# Altium PCB STM PCB.PcbDoc (part 3 of 3)
Units mm, origin at the board's own origin, x right, y up, seen from the top; angles counter-clockwise.
Board outline 66 x 113.5 mm, 4 copper layers (L1, GND, PWR, L2), stack 0.603 mm thick; 161 components, 199 nets, 817 pads, 466 vias.
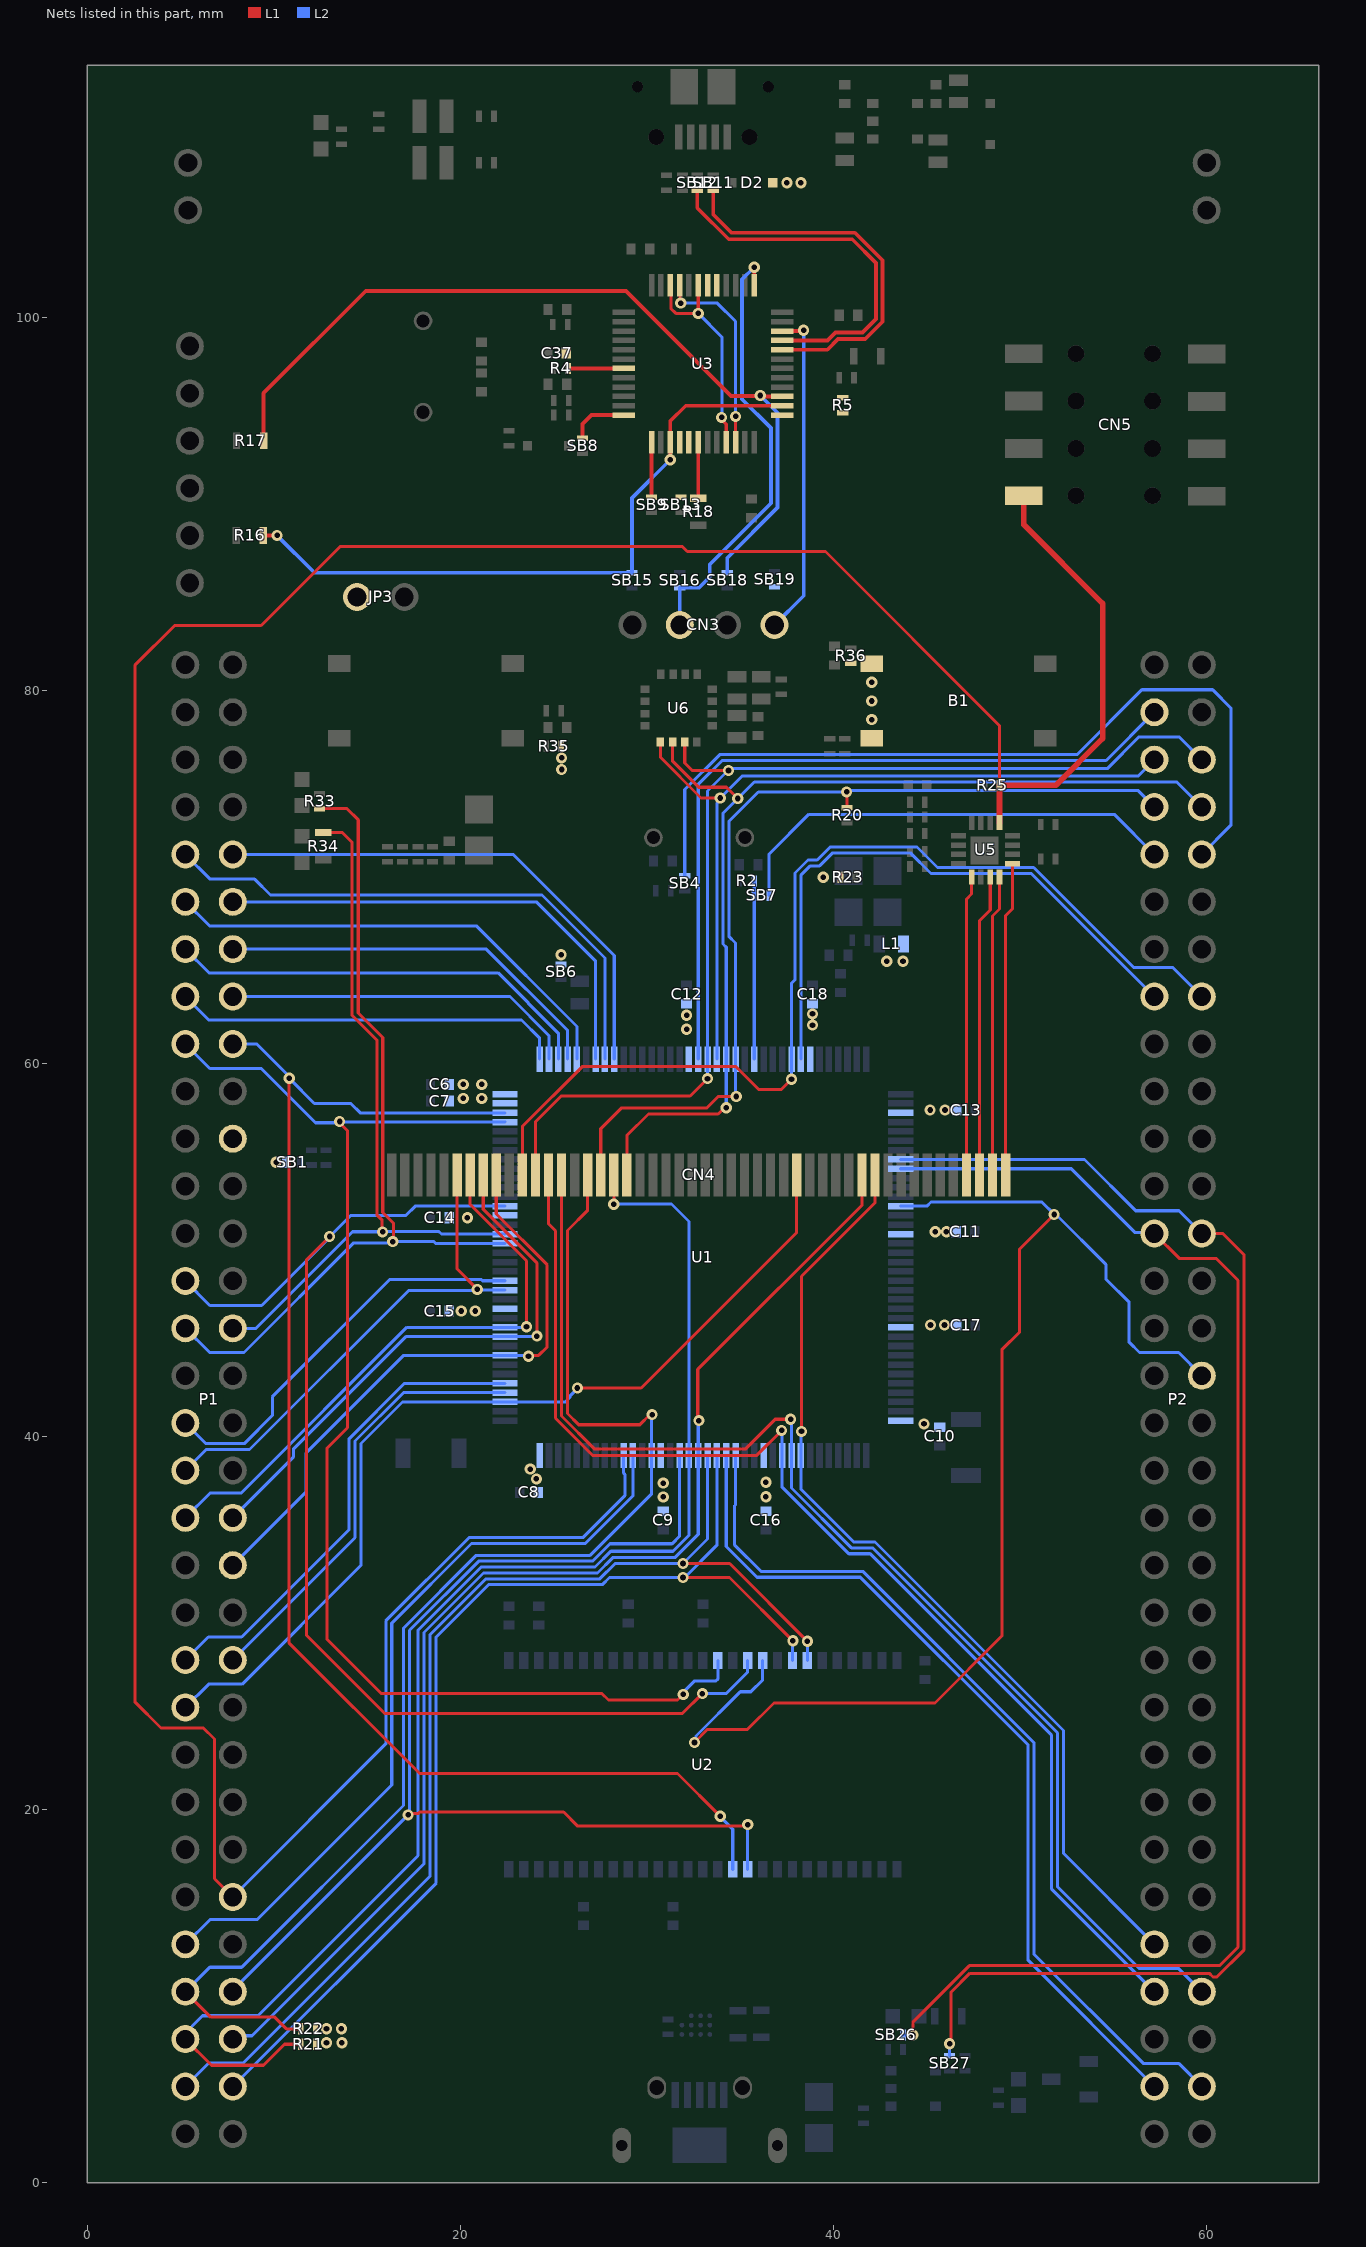
[diagram p5: the nets of this part, all layers, seen from the top]

## Via types
v1: diameter 0.6, hole 0.3, L1 to L2, 466 vias

## Nets (pads, with @x,y where several pads share a name; then routed paths per layer and width w, separated by ;. In a path a pad name is that pad's centre, name@x,y a point inside that pad or via, vN(x,y) a via of type N, cw(c..) or ccw(c..) an arc to the next point about the centre after c; other vN are vias at no path point) (continued)
PC2: CN4.38 P2.16 U1.28 | length 55.9
  L1 w0.165: CN4.38@23.325,54.025 23.325,56.62 26.53,59.825 34.775,59.825 36.01,58.59 37.19,58.59 v1(37.75,59.15)
  L2 w0.165: v1(37.75,59.15) U1.28@37.75,60.225 37.75,64.299 37.935,64.484 37.935,70.205 38.63,70.9 39.126,70.9 39.823,71.598 44.477,71.598 45.575,70.5 50.725,70.5 56.088,65.137 58.182,65.137 P2.16@59.74,63.58
PC3: P2.15 U1.29 | length 32.5
  L2 w0.165: U1.29@38.25,60.225 38.25,70.075 38.76,70.585 39.256,70.585 39.954,71.283 44.118,71.283 45.225,70.175 50.605,70.175 P2.15@57.2,63.58
PC4: P2.26 SB27.1 U1.44 | length 78
  L1 w0.165: v1(46.225,7.45) 46.308,7.533 46.308,10.222 47.309,11.222 60.147,11.222 60.344,11.025 60.55,11.025 61.994,12.469 61.994,49.756 60.87,50.88 P2.26@59.74,50.88
  L2 w0.165: U1.44@43.6,54.85 53.45,54.85 56.2,52.1 58.52,52.1 P2.26@59.74,50.88 ; SB27.1@46.225,6.8 v1(46.225,7.45)
PC5: P2.25 SB26.2 U1.45 | length 76.6
  L1 w0.165: v1(44.25,7.925) 44.25,8.609 47.281,11.64 60.69,11.64 61.679,12.629 61.679,48.371 60.5,49.55 58.53,49.55 P2.25@57.2,50.88
  L2 w0.165: U1.45@43.6,54.35 52.75,54.35 56.176,50.924 57.156,50.924 P2.25@57.2,50.88 ; SB26.2@43.725,7.925 v1(44.25,7.925)
PC6: CN4.33 P1.57 R22.2 U1.96 | length 71.1
  L1 w0.165: P1.57@5.26,10.24 6.625,8.875 10.05,8.875 10.675,8.25 R22.2@11.45,8.25 ; CN4.33@26.825,54.025 26.825,52.125 25.74,51.04 25.74,41.232 26.342,40.63 29.623,40.63 30.168,41.175 v1(30.275,41.175)
  L2 w0.165: P1.57@5.26,10.24 6.57,11.55 8.277,11.55 16.95,20.223 16.95,29.73 20.853,33.632 26.955,33.632 30.25,36.927 30.25,41.15 v1(30.275,41.175)
PC8: P1.55 U1.98 | length 41.2
  L2 w0.165: P1.55@5.26,12.78 6.58,14.1 9.1,14.1 16.32,21.32 16.32,29.991 20.592,34.262 26.694,34.262 29.25,36.818 U1.98@29.25,38.975
PC9: CN5.1 P1.54 R25.1 U1.99 U5.5 | length 185
  L1 w0.165: P1.54@7.8,15.32 6.817,16.302 6.817,23.783 6.225,24.375 3.95,24.375 2.55,25.775 2.55,81.334 4.686,83.47 9.32,83.47 13.547,87.698 31.902,87.698 32.167,87.432 39.568,87.432 48.9,78.1 R25.1@48.9,74.9
  L1 w0.3: U5.5@48.9,72.9 R25.1@48.9,74.9 51.914,74.9 54.425,77.411 54.425,84.65 50.2,88.875 CN5.1@50.2,90.42
  L2 w0.165: P1.54@7.8,15.32 16.005,23.525 16.005,30.121 20.461,34.577 26.564,34.577 28.815,36.829 28.815,37.971 28.75,38.036 U1.99@28.75,38.975
PC10: CN4.17 P1.45 U1.111 | length 50.3
  L1 w0.165: v1(26.273,42.6) 29.691,42.6 38.025,50.934 CN4.17@38.025,54.025
  L2 w0.165: P1.45@5.26,25.48 6.505,26.725 8.3,26.725 14.67,33.095 14.67,39.627 16.893,41.85 U1.111@22.4,41.85 25.625,41.85 25.871,42.096 25.871,42.155 26.273,42.556 v1(26.273,42.6)
PC11: P1.44 U1.112 | length 23.6
  L2 w0.165: P1.44@7.8,28.02 14.355,34.575 14.355,39.757 16.948,42.35 U1.112@22.4,42.35
PC12: P1.43 U1.113 | length 26.1
  L2 w0.165: P1.43@5.26,28.02 6.49,29.25 8.275,29.25 14.04,35.015 14.04,39.888 17.002,42.85 U1.113@22.4,42.85
PC13: P1.12 U1.7 | length 26
  L2 w0.165: P1.12@7.8,68.66 24.068,68.66 27.25,65.478 U1.7@27.25,60.225
PC14: P1.9 U1.8 | length 30.2
  L2 w0.165: P1.9@5.26,71.2 6.585,69.875 8.975,69.875 9.825,69.025 24.375,69.025 27.75,65.65 U1.8@27.75,60.225
PC15: P1.10 U1.9 | length 28.3
  L2 w0.165: P1.10@7.8,71.2 22.836,71.2 28.25,65.786 U1.9@28.25,60.225
PD2: CN4.40 P1.40 U1.116 | length 33.3
  L1 w0.165: CN4.40@21.925,54.025 21.925,51.925 24.65,49.2 24.65,44.8 24.198,44.348 23.698,44.348 v1(23.65,44.3)
  L2 w0.165: P1.40@7.8,33.1 11.74,37.04 11.74,39.124 16.966,44.35 23.6,44.35 v1(23.65,44.3)
PD4: CN4.41 P1.38 U1.118 | length 30.4
  L1 w0.165: CN4.41@21.225,54.025 21.225,52.18 24.1,49.305 v1(24.1,45.383)
  L2 w0.165: P1.38@7.8,35.64 11.05,38.89 11.05,39.325 17.075,45.35 U1.118@22.333,45.35 ; U1.118@22.4,45.35 24.068,45.35 v1(24.1,45.383)
PD5: CN4.42 P1.37 U1.119 | length 31.9
  L1 w0.165: CN4.42@20.525,54.025 20.525,52.434 23.545,49.414 23.545,45.887 v1(23.543,45.885)
  L2 w0.165: P1.37@5.26,35.64 6.595,36.975 8.255,36.975 17.13,45.85 23.508,45.85 v1(23.543,45.885)
PD7: CN4.43 P1.35 U1.123 | length 27.7
  L1 w0.165: CN4.43@19.825,54.025 19.825,48.975 20.9,47.9 v1(20.9,47.883)
  L2 w0.165: P1.35@5.26,38.18 6.38,39.3 8.7,39.3 17.217,47.817 20.835,47.817 v1(20.9,47.883) ; v1@20.933,47.85 U1.123@22.4,47.85
PD11: CN4.11 P2.55 U1.80 | length 51.4
  L1 w0.165: v1(38.283,40.275) 38.283,48.583 42.225,52.525 CN4.11@42.225,54.025
  L2 w0.165: v1(38.283,40.275) 38.25,40.242 38.25,37.182 41.087,34.345 42.223,34.345 52.325,24.243 52.325,17.655 P2.55@57.2,12.78
PD12: CN4.35 P2.58 U1.81 | length 68.3
  L1 w0.165: CN4.35@25.425,54.025 25.425,41.101 27.201,39.325 35.275,39.325 36.875,40.925 v1(37.7,40.925)
  L2 w0.165: v1(37.7,40.925) 37.75,40.875 37.75,37.236 40.956,34.03 42.093,34.03 52.01,24.113 52.01,15.865 56.4,11.475 58.505,11.475 P2.58@59.74,10.24
PD13: CN4.36 P2.57 U1.82 | length 65.7
  L1 w0.165: CN4.36@24.725,54.025 24.725,51.4 25.1,51.025 25.1,40.981 27.106,38.975 35.868,38.975 v1(37.218,40.325)
  L2 w0.165: v1(37.218,40.325) 37.234,40.309 37.234,37.307 40.826,33.715 41.962,33.715 51.695,23.982 51.695,15.735 57.19,10.24 P2.57@57.2,10.24
PE0: P1.17 U1.141 U2.15 | length 71.1
  L1 w0.165: v1(13.525,56.882) 13.525,56.818 13.95,56.393 13.95,40.475 12.85,39.375 12.85,29.13 15.755,26.225 27.586,26.225 27.936,25.875 31.636,25.875 31.936,26.175 v1(31.95,26.175)
  L2 w0.165: P1.17@5.26,61.04 6.575,59.725 9.325,59.725 12.233,56.817 v1@13.525,56.817 ; v1(13.525,56.882) 13.545,56.862 22.388,56.862 U1.141@22.4,56.85 ; v1(31.95,26.175) 31.95,26.293 32.557,26.9 33.703,26.9 33.8,26.997 U2.15@33.8,28
PE1: P1.18 U1.142 U2.39 | length 76.5
  L1 w0.165: v1(10.825,59.2) 10.805,59.18 10.805,28.947 17.82,21.932 31.642,21.932 v1(33.925,19.649)
  L2 w0.165: P1.18@7.8,61.04 9.085,61.04 10.825,59.3 v1(10.825,59.2) 12.175,57.85 14.125,57.85 14.625,57.35 U1.142@22.4,57.35 ; v1(33.925,19.649) 33.925,19.625 34.6,18.95 U2.39@34.6,16.8
PE2: P1.15 U1.1 | length 21
  L2 w0.165: P1.15@5.26,63.58 6.515,62.325 23.275,62.325 24.25,61.35 U1.1@24.25,60.225
PE3: P1.16 U1.2 | length 19.1
  L2 w0.165: P1.16@7.8,63.58 22.656,63.58 24.75,61.486 U1.2@24.75,60.225
PE4: P1.13 U1.3 | length 23.3
  L2 w0.165: P1.13@5.26,66.12 6.53,64.85 22.023,64.85 25.25,61.623 U1.3@25.25,60.225
PE5: P1.14 U1.4 | length 21.3
  L2 w0.165: P1.14@7.8,66.12 21.389,66.12 25.75,61.759 U1.4@25.75,60.225
PE6: P1.11 U1.5 | length 25.5
  L2 w0.165: P1.11@5.26,68.66 6.552,67.368 20.86,67.368 26.25,61.978 U1.5@26.25,60.225
PF6: P2.3 U1.18 | length 40.8
  L2 w0.165: U1.18@32.75,60.225 32.75,74.955 34.03,76.235 54.615,76.235 P2.3@57.2,78.82
PF7: CN4.37 P2.6 U1.19 U6.2 | length 60.3
  L1 w0.165: CN4.37@24.025,54.025 24.025,56.875 25.4,58.25 32.315,58.25 v1(33.247,59.183) ; U6.2@32.025,77.225 32.025,76.1 32.428,75.697 v1(34.372,75.697)
  L2 w0.165: v1@33.25,59.185 33.249,59.187 33.249,60.224 U1.19@33.25,60.225 33.25,74.6 34.347,75.697 v1(34.372,75.697) ; v1@34.359,75.709 34.45,75.8 54.675,75.8 56.375,77.5 58.52,77.5 P2.6@59.74,76.28
PF8: P2.5 U1.20 U6.4 | length 43.1
  L1 w0.165: U6.4@30.725,77.225 30.725,76.4 32.9,74.225 v1(33.925,74.225)
  L2 w0.165: U1.20@33.75,60.225 33.75,73.932 33.925,74.107 v1(33.925,74.225) 35.098,75.398 56.318,75.398 P2.5@57.2,76.28
PF9: CN4.30 P2.8 U1.21 U6.3 | length 56.1
  L1 w0.165: CN4.30@28.925,54.025 28.925,56.13 30.08,57.285 33.816,57.285 34.156,57.625 v1(34.25,57.625) ; U6.3@31.388,77.112 31.375,77.098 31.375,76.195 32.77,74.8 34.269,74.8 v1(34.87,74.198)
  L2 w0.165: v1(34.25,57.625) U1.21@34.25,60.225 34.25,66.225 34.077,66.398 34.077,73.406 v1(34.87,74.198) 35.754,75.083 58.397,75.083 P2.8@59.74,73.74
PF10: CN4.32 P2.7 R20.2 U1.22 | length 50.1
  L1 w0.165: CN4.32@27.525,54.025 27.525,56.5 28.625,57.6 33.195,57.6 33.82,58.225 v1(34.783,58.225) ; R20.2@40.7,73.725 R20.2@40.725,73.7 40.725,74.525 v1(40.7,74.55)
  L2 w0.165: v1(34.783,58.225) 34.75,58.257 34.75,66.45 34.392,66.807 34.392,72.967 35.975,74.55 v1(40.7,74.55) ; v1@40.683,74.533 v1(40.7,74.55) ; P2.7@57.2,73.74 56.307,74.632 40.782,74.632 v1(40.7,74.55)
PF11: P2.32 U1.49 U2.18 | length 70.6
  L1 w0.165: v1(32.55,23.6) 33.251,24.301 35.389,24.301 36.808,25.72 45.443,25.72 49.025,29.302 49.025,44.65 49.975,45.6 49.975,50.05 v1(51.825,51.9)
  L2 w0.165: v1(32.55,23.6) 32.633,23.683 32.633,23.942 35.008,26.317 35.567,26.317 36.2,26.95 U2.18@36.2,28 ; U1.49@43.6,52.35 45,52.35 45.222,52.572 51.162,52.572 51.825,51.909 v1(51.825,51.9) 51.925,51.9 54.6,49.225 54.6,48.445 55.85,47.195 55.85,45.05 56.4,44.5 58.5,44.5 P2.32@59.74,43.26
PG2: P2.62 U1.87 | length 48.5
  L2 w0.165: U1.87@34.75,38.975 34.75,36.324 34.685,36.259 34.685,34.201 36.116,32.77 41.571,32.77 50.75,23.591 50.75,12.246 56.596,6.4 58.5,6.4 P2.62@59.74,5.16
PG3: P2.61 U1.88 | length 46.6
  L2 w0.165: U1.88@34.25,38.975 34.25,34.1 35.895,32.455 41.44,32.455 50.435,23.46 50.435,11.925 P2.61@57.2,5.16
PG4: P1.62 U1.89 U2.20 | length 58.9
  L1 w0.165: v1(31.935,32.44) 31.94,32.446 34.426,32.446 v1(37.823,29.048)
  L2 w0.165: P1.62@7.8,5.16 18.7,16.06 18.7,29.252 21.505,32.057 27.607,32.057 27.996,32.446 32.025,32.446 33.75,34.171 U1.89@33.75,38.975 ; U2.20@37.8,28 37.8,29.025 v1(37.823,29.048)
PG5: P1.61 U1.90 U2.21 | length 61.6
  L1 w0.165: v1(31.935,33.19) 34.435,33.19 v1(38.6,29.025)
  L2 w0.165: P1.61@5.26,5.16 6.525,6.425 8.375,6.425 18.363,16.413 18.363,29.36 21.375,32.372 27.477,32.372 28.295,33.19 v1(31.935,33.19) 33.25,34.506 U1.90@33.25,38.975 ; U2.21@38.6,28 v1(38.6,29.025)
PG6: CN4.12 P1.60 U1.91 | length 66.4
  L1 w0.165: v1(32.783,40.85) 32.725,40.908 32.725,43.597 41.525,52.397 CN4.12@41.525,54.025
  L2 w0.165: P1.60@7.8,7.7 7.98,7.88 8.835,7.88 18.048,17.093 18.048,29.491 21.244,32.687 27.347,32.687 28.165,33.505 31.496,33.505 32.75,34.759 32.75,40.818 v1(32.783,40.85)
PG7: CN4.31 P1.59 R21.2 U1.92 | length 75.5
  L1 w0.165: P1.59@5.26,7.7 6.66,6.3 9.45,6.3 10.575,7.425 R21.2@11.45,7.425 ; v1(28.225,52.45) CN4.31@28.225,54.025
  L2 w0.165: P1.59@5.26,7.7 5.26,8.025 5.641,8.406 5.641,8.416 6.175,8.95 9.15,8.95 17.733,17.532 17.733,29.621 21.114,33.002 27.216,33.002 28.064,33.85 31.395,33.85 32.25,34.705 U1.92@32.25,38.975 32.25,51.525 31.318,52.457 28.233,52.457 v1(28.225,52.45)
PG8: P1.58 U1.93 U2.38 | length 65.2
  L1 w0.165: v1(17.2,19.72) 17.272,19.792 17.748,19.792 17.83,19.875 25.534,19.875 26.292,19.117 35.317,19.117 v1(35.4,19.2)
  L2 w0.165: P1.58@7.8,10.24 7.8,10.32 v1(17.2,19.72) 17.2,19.8 17.275,19.875 17.275,29.609 20.983,33.317 27.086,33.317 28.018,34.25 31.35,34.25 31.75,34.65 U1.93@31.75,38.975 ; U2.38@35.4,16.8 v1(35.4,19.2)
PG9: P1.33 U1.124 | length 21.9
  L2 w0.165: P1.33@5.26,40.72 6.365,39.615 8.415,39.615 9.925,41.125 9.925,42.125 16.215,48.415 21.121,48.415 21.186,48.35 U1.124@22.4,48.35
PG13: P1.29 R33.1 U1.128 | length 45.9
  L1 w0.165: R33.1@12.45,73.65 13.925,73.65 14.525,73.05 14.525,62.7 15.84,61.385 15.84,52.01 16.408,51.442 16.408,50.48 v1(16.375,50.447)
  L2 w0.165: P1.29@5.26,45.8 6.56,44.5 8.404,44.5 14.286,50.383 16.31,50.383 v1(16.375,50.447) 18.573,50.447 18.665,50.355 U1.128@22.395,50.355
PG14: P1.30 R34.1 U1.129 | length 40.4
  L1 w0.165: R34.1@12.43,72.375 13.675,72.375 14.183,71.867 14.183,62.597 15.525,61.255 15.525,51.88 15.809,51.595 15.809,50.989 v1(15.833,50.965)
  L2 w0.165: P1.30@7.8,45.8 9.043,45.8 14.218,50.975 15.823,50.975 v1(15.833,50.965) ; v1@15.825,50.975 15.83,50.98 18.856,50.98 18.986,50.85 U1.129@22.4,50.85
PG15: P1.27 U1.132 U2.17 | length 68.8
  L1 w0.165: v1(12.992,50.718) 11.75,49.475 11.75,29.339 15.939,25.15 31.9,25.15 32.967,26.217 v1(32.975,26.217)
  L2 w0.165: P1.27@5.26,48.34 6.575,47.025 9.35,47.025 12.992,50.668 v1(12.992,50.718) ; v1@13.017,50.692 13.017,50.742 14.125,51.85 17.075,51.85 17.575,52.35 U1.132@22.4,52.35 ; v1(32.975,26.217) 32.982,26.225 34.25,26.225 35.4,27.375 U2.17@35.4,28
PH0: P2.10 SB4.1 | length 45
  L2 w0.165: SB4.1@32.025,70.05 32.025,74.675 33.9,76.55 53.05,76.55 56.525,80.025 60.325,80.025 61.3,79.05 61.3,72.76 P2.10@59.74,71.2
PH1: P2.9 SB7.1 | length 24.6
  L2 w0.165: SB7.1@36.55,69 36.55,71.218 38.677,73.345 55.055,73.345 P2.9@57.2,71.2
PH1_OSC_OUT: R2.1 SB7.2 U1.24 | length 9.5
  L2 w0.165: U1.24@35.75,60.225 R2.1@35.75,69.775
STLINK_RX: SB9.1 U3.13 | length 3
  L1 w0.2: SB9.1@30.25,90.35 U3.13@30.25,93.3
STLINK_TX: SB8.1 U3.12 | length 3.2
  L1 w0.2: SB8.1@26.55,93.5 26.55,94.275 27.025,94.75 U3.12@28.75,94.75
STM_JTCK: CN3.2 SB16.2 U3.37 | length 23.7
  L1 w0.2: U3.37@35.75,101.7 v1(35.75,102.675)
  L2 w0.2: CN3.2@31.76,83.5 SB16.2@31.76,85.496 ; SB16.2@31.76,85.5 32.8,85.5 33.369,86.069 33.369,86.744 36.65,90.025 36.65,94.05 35.1,95.6 35.1,102.025 v1(35.75,102.675)
STM_JTMS: CN3.4 SB19.2 U3.34 | length 17.6
  L1 w0.2: U3.34@37.25,99.25 38.35,99.25 v1(38.4,99.3)
  L2 w0.2: CN3.4@36.84,83.5 38.4,85.06 v1(38.4,99.3)
STM_RESET: C37.2 R4.1 U3.7 | length 3.1
  L1 w0.2: C37.2@25.675,98.05 C37.2@25.775,97.95 ; R4.1@25.775,97.25 U3.7@28.75,97.25
SWIM: U3.22 U3.45 | length 10.8
  L1 w0.165: U3.45@31.75,101.7 31.783,101.667 31.783,100.782 v1(31.815,100.75) ; U3.22@34.75,93.3 v1(34.75,94.675)
  L2 w0.165: v1(31.815,100.75) 33.775,100.75 34.75,99.775 v1(34.75,94.675)
SWIM_IN: U3.21 U3.43 U3.46 | length 11.9
  L1 w0.165: U3.46@31.25,101.7 31.283,101.667 31.283,100.464 31.547,100.2 v1(32.75,100.2) U3.43@32.75,101.7 ; v1(34,94.625) 34,94.507 34.25,94.257 U3.21@34.25,93.3
  L2 w0.165: v1(32.75,100.2) 34.025,98.925 34.025,94.65 v1(34,94.625)
SWIM_RST: U3.42
SWIM_RST_IN: U3.41
T_JTCK: R16.2 SB15.1 U3.15 U3.26 | length 35.9
  L1 w0.2: R16.2@9.425,88.3 v1(10.175,88.3) ; v1(31.25,92.35) U3.15@31.25,93.3 31.25,94.425 32.075,95.25 U3.26@37.25,95.25
  L2 w0.2: v1(10.175,88.3) 12.175,86.3 SB15.1@29.2,86.3 29.2,90.3 v1(31.25,92.35)
T_JTDI: U3.17
T_JTDO: U3.16
T_JTMS: R5.1 R17.2 SB18.1 U3.27 | length 46
  L1 w0.2: R17.2@9.45,93.37 9.45,95.925 14.925,101.4 28.88,101.4 34.505,95.775 36.05,95.775 v1(36.075,95.8) ; v1@36.075,95.775 36.1,95.75 U3.27@37.25,95.75
  L2 w0.2: SB18.1@34.3,86.3 34.3,87.088 37,89.787 37,94.875 v1(36.075,95.8)
T_NRST: R18.2 SB13.1 U3.18 | length 3
  L1 w0.2: R18.2@32.75,90.3 32.75,92.7 U3.18@32.75,93.3
T_SWDIO_IN: R5.2 U3.25
USB_DM: SB11.2 U3.32 | length 20.7
  L1 w0.2: SB11.2@33.55,106.8 33.55,105.5 34.525,104.525 41.145,104.525 42.625,103.045 42.625,99.75 41.7,98.825 40.246,98.825 39.671,98.25 U3.32@37.25,98.25
USB_DP: SB12.2 U3.33 | length 20.2
  L1 w0.2: SB12.2@32.7,106.8 32.7,105.855 34.38,104.175 41,104.175 42.275,102.9 42.275,99.895 41.555,99.175 40.101,99.175 39.676,98.75 U3.33@37.25,98.75
VDD: B1.1 B1.4 C6.2 C7.2 C8.2 C9.2 C10.2 C11.2 C12.2 C13.2 C14.2 C15.2 C16.2 C17.2 C18.2 D2.1 JP3.2 L1.1 P1.22 R21.1 R22.1 R23.1 R35.2 R36.2 SB1.1 SB6.2 U1.17 U1.30 U1.39 U1.52 U1.62 U1.72 U1.84 U1.95 U1.108 U1.121 U1.131 U1.143 U1.144
  other v1: 12.825,7.5 13.65,7.5 12.825,8.25 13.625,8.25 30.875,36.763 36.375,36.775 30.875,37.5 36.375,37.55 24.075,37.725 23.75,38.25 44.85,40.675 45.2,45.975 45.95,45.975 20.05,46.725 20.8,46.725 45.45,50.975 46.05,50.975 20.375,51.725 10.125,54.7 45.175,57.5 45.975,57.5 20.15,58.125 21.15,58.125 20.15,58.875 21.15,58.875 32.125,61.825 38.875,62.05 32.125,62.575 38.875,62.65 42.85,65.475 43.725,65.475 25.4,65.825 39.45,69.975 25.425,75.75 25.425,76.375 42.05,78.425 42.05,79.425 42.05,80.425 37.5,107.2 38.25,107.2
XL: CN4.2 U5.16 | length 16.1
  L1 w0.165: CN4.2@48.525,54.025 48.525,67.9 48.9,68.275 U5.16@48.9,70
XR: CN4.4 U5.13 | length 16.1
  L1 w0.165: CN4.4@47.125,54.025 47.125,68.8 47.4,69.075 U5.13@47.4,70
YD: CN4.1 U5.1 | length 16.8
  L1 w0.165: CN4.1@49.225,54.025 49.225,67.925 49.6,68.3 U5.1@49.6,70.7
YU: CN4.3 U5.15 | length 16.2
  L1 w0.165: CN4.3@47.825,54.025 47.825,67.645 48.4,68.22 U5.15@48.4,70
pads on no net: CN1.0 CN4.9 CN4.10 CN5.0 CN5.2 CN5.6 CN6.0 CN6.7 P2.4 U2.36 U2.40 U3.4 U3.11 U3.14 U3.19 U3.28 U3.38 U3.39 U3.40 U5.0 U8.A2 U8.B1 U8.B2 U8.C2

## Polygon pours and split planes (outlines as drawn)
GND on L2 "NONET_L-01_P-001" (solid, remove dead copper, pour order 1): 0,0 66,0 66,113.5 0,113.5
no net on Top Solder "NONET_L-01_P-001" (solid): 51.5,108 53.5,110 55.5,108 53.5,106
GND on L1 "NONET_L-01_P-001" (solid, remove dead copper, pour order 0): 0,0 66,0 66,113.5 0,113.5
3V on PWR (split plane): 65.49,0.51 0.51,0.51 0.51,112.99 65.49,112.99
VDD on PWR (split plane): 40.803,106.328 41.573,105.558 41.573,97.256 41.581,97.217 41.603,97.184 42.848,95.939 42.848,76.217 41.678,75.047 41.656,75.014 41.648,74.975 41.648,73.4 41.656,73.361 41.678,73.328 47.073,67.933 47.073,55.05 47.073,50.052 44.642,50.052 44.472,50.222 44.022,50.672 43.989,50.694 43.95,50.702 39.95,50.702 39.911,50.694 39.878,50.672 39.856,50.639 39.848,50.6 39.848,48.4 39.856,48.361 39.878,48.328 39.911,48.306 39.95,48.298 47.073,48.298 47.073,47.383 47.073,45.95 47.073,41.067 41.633,35.627 21.5,35.627 21.461,35.619 21.428,35.597 14.728,28.897 14.706,28.864 14.698,28.825 14.698,6.892 14.033,6.227 12.167,6.227 11.402,6.992 11.402,52.325 11.394,52.364 11.372,52.397 9.172,54.597 9.139,54.619 9.1,54.627 7.142,54.627 6.602,55.167 6.602,56.708 7.217,57.323 15.325,57.323 15.364,57.331 15.397,57.353 23.572,65.528 23.594,65.561 23.602,65.6 23.602,66.05 23.602,73.075 23.594,73.114 23.572,73.147 13.027,83.692 13.027,85.483 13.817,86.273 14.983,86.273 15.723,85.533 15.723,83.375 15.731,83.336 15.753,83.303 21.403,77.653 21.436,77.631 21.475,77.623 25.783,77.623 26.748,76.658 26.748,68.4 26.756,68.361 26.778,68.328 29.878,65.228 29.911,65.206 29.95,65.198 33.7,65.198 33.739,65.206 33.772,65.228 39.722,71.178 39.744,71.211 39.752,71.25 39.752,105.25 39.744,105.289 39.722,105.322 38.947,106.097 38.914,106.119 38.875,106.127 36.602,106.127 36.602,108.198 38.933,108.198
GND on GND (split plane): 65.49,0.51 0.51,0.51 0.51,112.99 65.49,112.99

## Keep-outs
Keep-Out Layer:
  the board outline again, w0.3

## Other copper
L1:
  region net GND: 47.1,71.85 47.1,71.55 45.375,71.55 45.375,71.85
  region net NetLD4_1: 13.1,71.125 13.1,70.725 12.25,70.725 11.9,70.375 11.1,70.375 11.1,71.175 12.025,71.175 12.075,71.125
  region net T_SWDIO_IN: 36.65,94.6 36.65,94.9 40.075,94.9 40.2,95.025 40.8,95.025 40.8,94.725 40.2,94.725 40.075,94.6
  region net T_JTMS: 36.65,95.9 36.65,95.6 39.945,95.6 40.02,95.525 40.8,95.525 40.8,95.825 40.05,95.825 39.975,95.9 37.85,95.9
  region net T_NRST: 33.2,90.1 33.2,90.5 31.525,90.5 31.525,90.2 32.25,90.2 32.35,90.1
  region net STM_RESET: 25.925,96.95 25.625,96.95 25.625,97.55 25.425,97.75 25.425,98.375 25.925,98.375
  region net 3V: 44.075,55.175 45.975,55.175 45.975,52.875 44.075,52.875
  region net 3V: 15.925,109.925 13.325,109.925 13.325,110.225 15.925,110.225
  region net 3V: 48.15,109.5 48.15,108.425 48.275,108.3 48.525,108.3 48.65,108.425 48.65,109.5
  region net 3V: 61,90.913 61,88.562 60.525,88.087 59.4,88.087 59,88.487 59,90.913
  region net 3V: 40.3,50 40.525,50.225 42.7,50.225 42.7,49.3 42.4,49 40.725,49 40.3,49.425
  region net 3V: 21.75,72.15 20.25,72.15 19.625,71.15 19.1,71.15 19.1,69.65 19.375,69.375 21.025,69.375 21.75,70.1
  region net 3V: 33.25,78.95 37.325,78.95 37.55,78.725 37.55,78.375 37.325,78.15 34,78.15 33.75,77.9 33.25,77.9
  region net 3V: 44.25,75.15 44.25,73.7 42.125,73.7 41.95,73.875 41.95,74.2 42.15,74.4 43,74.4 43.75,75.15
  region net 3V: 48.55,72.5 48.25,72.5 48.25,73.675 47.95,73.975 47.95,75.2 48.25,75.2 48.55,74.9
  region net 3V: 49.2,71.85 49.2,71.55 51.55,71.55 51.75,71.35 51.75,70.75 52.05,70.75 52.05,71.35 51.55,71.85 51.175,71.85
  region net VDD: 12.1,8.55 12.25,8.7 13.7,8.7 13.95,8.45 13.95,7.275 13.675,7 12.225,7 12.1,7.125
  region net VDD: 40.525,69.675 40.525,70.275 39.325,70.275 39.15,70.1 39.15,69.825 39.3,69.675
  region net VDD: 36.575,107.525 38.375,107.525 38.55,107.35 38.55,107.05 38.4,106.9 36.55,106.9 36.5,106.95 36.5,107.45
  region net VDD: 25.25,77.3 25.575,77.3 25.725,77.15 25.725,75.625 25.55,75.45 25.3,75.45 25.125,75.625 25.125,77.175
  region net 5V: 59,97.525 59,98.525 61,98.525 61.45,98.975 61.975,99.5 63.9,99.5 64.375,99.025 64.375,96.9 63.95,96.475 62.075,96.475 61.025,97.525
  region net 3V: 30.4,101.1 30.1,101.1 30.1,102.3 29.9,102.5 29.9,103.95 30.4,103.95 30.4,102.85
  region net AIN_1: 29.35,95.6 29.35,95.9 25.725,95.9 25.55,95.725 25.55,93.35 25.55,92.85 26.05,92.85 26.05,95.25 26.4,95.6
  region net 3V: 29.35,100.1 26.05,100.1 25.45,100.1 25.45,100.7 27.55,100.7 27.85,100.4 29.35,100.4
  region net 3V: 29.35,96.1 26.05,96.1 25.45,96.1 25.45,96.7 27.55,96.7 27.85,96.4 29.35,96.4
  region net 3V: 35.9,93.9 35.9,90.6 35.9,90 35.3,90 35.3,92.15 35.6,92.45 35.6,93.9
  region net 3V: 36.65,100.4 39.95,100.4 40.55,100.4 40.55,99.8 38.5,99.8 38.2,100.1 36.65,100.1
  region net NetCN2_2: 8.2,88.745 8.2,87.82 6.462,87.82 5.938,87.295 5.087,87.295 4.513,87.87 4.512,88.745 5.062,89.295 5.963,89.295 6.513,88.745
  region net NetCN2_4: 8.2,93.825 8.2,92.9 6.462,92.9 5.938,92.375 5.087,92.375 4.513,92.95 4.512,93.825 5.062,94.375 5.963,94.375 6.513,93.825
  region net NetB2_1: 24.45,76.7 24.75,76.7 24.95,76.9 24.95,79 24.75,79.2 24.45,79.2 24.35,79.1 24.35,78.15 24.075,77.875 23.65,77.875 23.4,78.125 23.4,81.875 22.2,81.875 22.2,76.975 24.175,76.975
  region net VDD: 40.625,81.3 41.125,81.3 41.45,80.975 41.45,76.975 42.65,76.975 42.65,81.875 41.45,81.875 41.175,81.6 40.625,81.6
  region net NetLD2_1: 12.125,109.42 13.925,109.42 13.925,109.124 13.429,109.124 12.925,108.62 12.125,108.62
  region net NetCN1_1: 34.1,110.325 34.1,108.975 34.3,108.775 34.3,106.95 34.8,106.95 34.8,108.675 34.5,108.975 34.5,110.325
  region net NetCN1_2: 33.85,110.325 33.85,107.45 33.25,107.45 33.25,108.2 33.45,108.4 33.45,110.325
  region net NetCN1_3: 33.2,110.325 33.2,108.55 33,108.35 33,107.45 31.6,107.45 31.6,107.75 32.45,107.75 32.6,107.9 32.6,108.55 32.8,108.775 32.8,108.975 32.8,110.325
  region net NetCN1_4: 32.55,110.325 32.55,108.95 31.35,107.75 31.35,107.45 30.75,107.45 30.75,107.747 31.231,108.142 32.15,108.975 32.15,110.325
  region net NetC32_1: 46.1,109.8 46.1,109.2 44.9,109.2 44.8,109.3 44.2,109.3 44.2,109.8
  region net NetC34_2: 44.2,111.2 48.65,111.2 48.65,111.7 48.55,111.8 44.275,111.8 44.2,111.725
  region net NetC33_2: 40.3,111.7 42.4,111.7 43.025,111.075 43.025,109.925 42.4,109.3 40.1,109.3 40.1,109.9 42.475,109.9 42.65,110.075 42.65,111 42.45,111.2 40.325,111.2 40.3,111.225
  region net NetC49_2: 39.75,82.1 39.75,82.6 40.425,82.6 40.625,82.4 41.225,82.4 41.225,82.1
  region net NetC47_1: 37.5,80.425 35.625,80.425 35.625,81.025 36.625,81.025 36.925,80.725 37.5,80.725
  region net NetC47_2: 33.25,79.2 36.65,79.2 36.65,79.825 34.325,79.825 34.1,79.6 33.25,79.6
L2:
  region net GND: 42.925,46.525 42.925,46.175 44.6,46.175 44.85,46.425 47.2,46.425 47.35,46.275 47.35,45.675 48,45.675 48.225,45.9 49.3,45.9 49.5,46.1 49.5,46.35 49.35,46.5 49.025,46.5 48.8,46.275 47.85,46.275 47.6,46.525 47.525,46.6 47.3,46.6 44.6,46.6 44.525,46.525 44.275,46.525
  region net GND: 40.05,71.05 40.05,69.55 41.325,69.55 41.58,69.295 41.58,69.036 41.852,68.91 42.12,69.034 42.12,69.32 42.35,69.55 43.65,69.55 43.65,71.05
  region net GND: 34,85.65 34.6,85.65 34.6,84.65 35.325,83.925 35.325,83.075 34.75,82.5 33.875,82.5 33.325,83.05 33.325,83.95 34,84.625 34,85.35
  region net 5V: 61.749,99.333 62.141,99.725 63.857,99.725 64.2,99.382 64.2,96.675 64.2,96.325 63.2,96.325 62.85,96.675 62.25,96.675 61.749,97.176
  region net VDD: 38.575,59.55 38.925,59.55 38.925,61.65 39.175,61.9 39.175,63.45 38.575,63.45
  region net 3V: 46.675,6.65 47.9,6.65 48.35,7.1 48.35,8.75 47.725,9.375 46.675,9.375 46.675,8.375 46.45,8.15 46.479,7.967 46.483,7.967 46.675,7.775
  region net VDD: 44.05,66.85 43.45,66.85 43.45,66.1 43.125,65.775 42.725,65.775 42.55,65.6 42.55,65.35 42.725,65.175 43.875,65.175 44.05,65.35
  region net VDD: 10.75,54.4 10.75,55 10,55 9.825,54.825 9.825,54.575 10,54.4
  region net NetR1_1: 12.313,54.4 12.313,54.7 11.837,54.7 11.537,55 11.238,55 11.238,54.4
  region net VDD: 24.425,36.7 24.425,39.65 24.1,39.65 23.425,38.975 23.425,37.8 23.925,37.3 23.925,36.7
  region net VDD: 25.7,65.15 25.7,66 25.575,66.125 25.225,66.125 25.1,66 25.1,65.15
  region net 5V: 4.15,81.825 4.8,82.475 8.5,82.475 9.3,81.675 9.3,81.1 8.525,80.325 4.75,80.325 4.15,80.925
  region net 5V: 45.175,3.85 45.175,4.35 45.775,4.35 45.95,4.525 45.95,4.975 46.125,5.15 47.4,5.15 47.575,4.975 47.575,4.075 47.35,3.85
  region net 3V: 28.9,85.65 29.5,85.65 29.5,84.65 30.225,83.925 30.225,83.075 29.65,82.5 28.775,82.5 28.225,83.05 28.225,83.95 28.9,84.625 28.9,85.35
  region net STM_JTMS: 36.54,85.7 37.14,85.7 37.14,84.7 37.865,83.975 37.865,83.125 37.29,82.55 36.415,82.55 35.865,83.1 35.865,84 36.54,84.675 36.54,85.4
  region net STM_JTCK: 31.46,85.65 32.06,85.65 32.06,84.65 32.785,83.925 32.785,83.075 32.21,82.5 31.335,82.5 30.785,83.05 30.785,83.95 31.46,84.625 31.46,85.35
  region net NetLD5_1: 44.175,9.325 45.125,9.325 45.175,9.375 45.625,9.375 45.625,8.475 45.175,8.475 45.125,8.525 44.175,8.525
  region net NetLD5_2: 43.375,5.75 42.775,5.75 42.775,9.325 43.575,9.325 43.575,8.525 43.375,8.325 43.375,6.25
  region net MCO: 31.125,68.625 31.125,69.55 31.575,69.55 31.725,69.4 32.325,69.4 32.325,68.575 32.15,68.4 31.35,68.4
  region net 3V: 45.2,27.725 45.2,28.225 43.875,28.225 43.65,28.45 43.15,28.45 43.15,27.55 43.675,27.55 43.85,27.725 44.6,27.725
  region net 3V: 26.9,14.55 26.9,15.1 26.85,15.15 26.85,17.25 26.35,17.25 26.35,15.175 26.3,15.125 26.3,14.55
  region net 3V: 31.7,14.55 31.7,15.1 31.65,15.15 31.65,17.25 31.15,17.25 31.15,15.175 31.1,15.125 31.1,14.55
  region net 3V: 32.7,30.25 32.7,29.7 32.75,29.65 32.75,27.55 33.25,27.55 33.25,29.625 33.3,29.675 33.3,30.25
  region net 3V: 28.7,30.25 28.7,29.7 28.75,29.65 28.75,27.55 29.25,27.55 29.25,29.625 29.3,29.675 29.3,30.25
  region net 3V: 22.3,30.15 22.3,29.6 22.35,29.55 22.35,27.55 22.85,27.55 22.85,29.525 22.9,29.575 22.9,30.15
  region net 3V: 23.9,30.15 23.9,29.6 23.95,29.55 23.95,27.55 24.45,27.55 24.45,29.525 24.5,29.575 24.5,30.15
  region net PB13: 38.462,5.35 38.462,3.85 41.487,3.85 43.375,3.85 43.375,4.35 40.962,4.35 39.962,5.35
  region net VDD: 32.425,59.55 32.425,62.9 32.425,63.45 31.825,63.45 31.825,61.475 32.075,61.225 32.075,59.55
  region net NetC22_2: 25.075,38.3 25.425,38.3 25.425,39.975 25.1,40.3 19.925,40.3 19.5,39.875 19.5,38.3 20.325,38.3 21.9,39.875 24.925,39.875 25.075,39.725
  region net VDD: 30.575,39.65 30.575,35.75 31.175,35.75 31.175,37.7 30.925,37.95 30.925,39.65
  region net VDD: 36.075,39.65 36.075,35.75 36.675,35.75 36.675,37.825 36.425,38.075 36.425,39.65
  region net VDD: 23.075,47.025 19.55,47.025 19.15,47.025 19.15,46.425 21.25,46.425 21.5,46.675 23.075,46.675
  region net VDD: 23.075,52.025 19.15,52.025 19.15,51.425 21.125,51.425 21.375,51.675 23.075,51.675
  region net VDD: 23.075,57.675 19.15,57.675 19.15,59.175 22.425,59.175 23.075,58.525
  region net NetC20_2: 26.925,59.55 26.575,59.55 26.575,62.112 25.9,62.787 25.9,63.5 26.925,63.5
  region net NetC5_1: 30.1,70.55 30.325,70.325 30.325,68.95 30.625,68.95 30.625,71.3 31.05,71.725 31.05,72.55 30.9,72.7 29.85,72.7 29.7,72.55 29.7,71.7 30.1,71.3
  region net NetC19_1: 35.1,69.475 35.1,70.25 35.2,70.35 35.2,71.05 35.9,71.75 35.9,72.675 35.775,72.8 34.75,72.8 34.625,72.675 34.625,71.7 34.7,71.625 34.7,70.35 34.8,70.25 34.8,69.475
  region net NetC3_1: 41.55,68.85 41.55,67.125 41.15,66.725 41.15,66.3 40.25,66.3 40.025,66.075 40.025,65.5 39.525,65.5 39.525,66.1 40.05,66.625 40.05,68.85
  region net NetC1_2: 43.65,68.85 43.65,67.35 42.75,66.45 42.75,65.95 41.735,65.95 41.65,66.035 41.65,66.9 42.15,67.4 42.15,68.85
  region net NetC2_1: 41.05,66.1 41.05,65.425 40.675,65.05 40.675,64.55 40.075,64.55 40.075,65.05 40.55,65.525 40.55,66.1
  region net VDD: 42.921,41.021 45.779,41.021 46,40.8 46,40.25 44.675,40.25 44.25,40.675 42.925,40.675
  region net NetC21_2: 42.925,41.525 47.675,41.525 47.9,41.3 47.9,40.5 46.3,40.5 46.3,40.875 46,41.175 42.925,41.175
  region net VDD: 46.85,45.675 46.85,46.275 44.925,46.275 44.675,46.025 42.925,46.025 42.925,45.675
  region net VDD: 46.825,50.675 46.825,51.275 45.325,51.275 45.075,51.025 42.925,51.025 42.925,50.675
  region net VDD: 46.85,57.175 46.85,57.8 44.7,57.8 44.425,57.525 42.925,57.525 42.925,57.175
  region net NetR39_1: 45.175,6.25 45.775,6.25 45.875,6.15 47.35,6.15 47.35,5.85 45.875,5.85 45.775,5.75 45.175,5.75
PWR (plane layer: these items are gaps in the copper):
  lines w0.2: 23.5,65.825 23.5,73.075 12.925,83.65 12.925,85.525 13.775,86.375 15.025,86.375 15.825,85.575 15.825,83.375 21.475,77.725 25.825,77.725 26.85,76.7 26.85,68.4 29.95,65.3 33.7,65.3 39.65,71.25 39.65,105.25 38.875,106.025 36.5,106.025 36.5,108.3 38.975,108.3 40.875,106.4 41.675,105.6 41.675,97.256 42.95,95.981 42.95,76.175 41.75,74.975 41.75,73.4 47.175,67.975 47.175,55.05 47.175,49.95 44.6,49.95 44.4,50.15 43.95,50.6 39.95,50.6 39.95,48.4 47.175,48.4 47.175,47.383 47.175,45.95 47.175,41.025 41.675,35.525 21.5,35.525 14.8,28.825 14.8,6.85 14.075,6.125 12.125,6.125 11.3,6.95 11.3,52.325 9.1,54.525 7.1,54.525 6.5,55.125 6.5,56.75 7.175,57.425 10.225,57.425 15.325,57.425 23.5,65.6 23.5,66.05

## Silkscreen, mask and mechanical layers (free items; w line width, h text height)
Top Overlay:
  drawing of 15 lines, arcs and shapes, not listed
  text "GND" at 8.385,105.4 h2 r90
  text "GND" at 58.185,105.4 h2 r90
  text "USB ST-LINK" at 26.625,105.099 h2 r90
  text "GND" at 52.75,104.757 h1
  text "TEST POİNT" at 51.5,103.757 h1
  text "ACP/RF E2P" at 49.6,100.112 h1
  text "SWD" at 3.578,90.3 h3 r90
  text "USER" at 19.6,83.2 h2
  text "RESET" at 44.4,83.1 h2
  text "5V" at 1.059,80.8 h2
  text "3V" at 62.586,80.807 h2
  text "NC" at 62.535,78.267 h2
  text "PF4" at 0.761,78.1 h2
  text "PF7" at 62.301,75.775 h2
  text "PF2" at 0.783,75.7 h2
  text "PF0" at 0.765,73.2 h2
  text "PF9" at 62.305,73.187 h2
  text "PC14" at 0.285,70.7 h2
  text "PH0" at 62.158,70.647 h2
  text "NRST" at 61.735,68.307 h2
  text "PE6" at 0.747,68.1 h2
  text "PE4" at 0.737,65.6 h2
  text "PC0" at 62.231,65.567 h2
  text "PC2" at 62.249,63.022 h2
  text "PE2" at 0.76,63 h2
  text "PE0" at 0.742,60.5 h2
  text "PA0" at 62.194,60.487 h2
  text "PB8" at 0.702,57.9 h2
  text "PA2" at 62.212,57.906 h2
  text "BOOT0" at 0.2,55.5 h1.5
  text "PA4" at 62.19,55.397 h2
  text "PB6" at 0.701,52.9 h2
  text "PA6" at 62.199,52.857 h2
  text "PC4" at 62.227,50.327 h2
  text "PB4" at 0.692,50.3 h2
  text "PG15" at 0.229,47.8 h2
  text "PB0" at 62.223,47.787 h2
  text "PB2" at 62.241,45.237 h2
  text "PG13" at 0.231,45.2 h2
  text "PG11" at 0.225,42.7 h2
  text "PF11" at 61.891,42.707 h2
  text "PF13" at 61.897,40.167 h2
  text "PG9" at 0.639,40.067 h2
  text "PF15" at 61.895,37.622 h2
  text "PD7" at 0.648,37.527 h2
  text "PG1" at 62.167,35.082 h2
  text "PD5" at 0.658,34.987 h2
  text "PE8" at 62.274,32.547 h2
  text "PD3" at 0.66,32.447 h2
  text "PE10" at 61.853,30.007 h2
  text "PD1" at 0.654,29.907 h2
  text "PE12" at 61.87,27.467 h2
  text "PC12" at 0.307,27.4 h2
  text "PE14" at 61.848,24.927 h2
  text "PC10" at 0.289,24.9 h2
  text "PA14" at 0.248,22.4 h2
  text "PB10" at 61.807,22.387 h2
  text "PB12" at 61.825,19.847 h2
  text "PA12" at 0.27,19.8 h2
  text "PB14" at 61.803,17.307 h2
  text "PA10" at 0.252,17.2 h2
  text "PD8" at 62.17,14.767 h2
  text "PA8" at 0.674,14.667 h2
  text "PD10" at 61.749,12.227 h2
  text "PC8" at 0.711,12.127 h2
  text "PD12" at 61.766,9.687 h2
  text "PC6" at 0.71,9.587 h2
  text "PD14" at 61.744,7.147 h2
  text "PG7" at 0.635,7.047 h2
  text "github.com/Arda-Boz" at 23.754,6.487 h1
  text "PG2" at 62.169,4.607 h2
  text "PG5" at 0.645,4.507 h2
  text "GND" at 61.934,2.067 h2
  text "GND" at 0.408,2 h2
Bottom Overlay:
  drawing of 34 lines, arcs and shapes, not listed
  text "GND" at 7.315,105.4 h2 r270
  text "GND" at 57.215,105.4 h2 r270
  text "SWD" at 2.022,90.4 h3 r270
  text "P2" at 60.846,83.254 h1
  text "P1" at 8.946,83.154 h1
  text "5V" at 2.67,81.007 h2
  text "3V" at 64.049,80.807 h2
  text "ST_LINK" at 36.9,79.739 h3
  text "PF4" at 2.969,78.467 h2
  text "NC" at 64.1,78.267 h2
  text "PF2" at 2.946,75.927 h2
  text "PF7" at 64.334,75.775 h2
  text "PF0" at 2.964,73.387 h2
  text "PF9" at 64.33,73.187 h2
  text "PC14" at 3.444,70.8 h2
  text "PH0" at 64.477,70.647 h2
  text "PE6" at 2.982,68.307 h2
  text "NRST" at 64.9,68.1 h2
  text "PE4" at 2.992,65.767 h2
  text "PC0" at 64.404,65.567 h2
  text "PE2" at 2.969,63.227 h2
  text "PC2" at 64.386,63.022 h2
  text "PE0" at 2.987,60.687 h2
  text "PA0" at 64.441,60.487 h2
  text "PB8" at 3.027,58.147 h2
  text "PA2" at 64.423,57.906 h2
  text "BOOT0" at 3.529,55.5 h1.5
  text "PA4" at 64.445,55.397 h2
  text "PB6" at 3.028,53.067 h2
  text "PA6" at 64.436,52.857 h2
  text "PB4" at 3.037,50.527 h2
  text "PC4" at 64.408,50.327 h2
  text "PG15" at 3.5,48 h2
  text "PB0" at 64.412,47.787 h2
  text "PG13" at 3.498,45.4 h2
  text "PB2" at 64.394,45.237 h2
  text "PG11" at 3.504,42.9 h2
  text "PF11" at 64.744,42.707 h2
  text "PG9" at 3.09,40.367 h2
  text "PF13" at 64.738,40.167 h2
  text "PD7" at 3.082,37.827 h2
  text "PF15" at 64.74,37.622 h2
  text "PD5" at 3.071,35.287 h2
  text "PG1" at 64.468,35.082 h2
  text "PD3" at 3.069,32.747 h2
  text "PE8" at 64.361,32.547 h2
  text "PD1" at 3.075,30.207 h2
  text "PE10" at 64.8,30.1 h2
  text "PC12" at 3.422,27.7 h2
  text "PE12" at 64.765,27.5 h2
  text "F" at 17.8,26.9 h7
  text "I" at 51.4,25.9 h7.62
  text "PC10" at 3.44,25 h2
  text "PE14" at 64.787,24.9 h2
  text "PA14" at 3.481,22.6 h2
  text "PB10" at 64.828,22.4 h2
  text "PA12" at 3.459,20 h2
  text "PB12" at 64.81,19.8 h2
  text "PA10" at 3.477,17.5 h2
  text "PB14" at 64.832,17.3 h2
  text "E" at 51.8,16.7 h7
  text "G" at 18.4,16.4 h7
  text "PA8" at 3.056,14.967 h2
  text "PD8" at 64.465,14.767 h2
  text "PC8" at 3.019,12.427 h2
  text "PD10" at 64.886,12.2 h2
  text "github.com/Arda-Boz" at 42.446,11.187 h1
  text "PC6" at 3.019,9.887 h2
  text "PD12" at 64.869,9.7 h2
  text "PG7" at 3.094,7.347 h2
  text "PD14" at 64.891,7.1 h2
  text "PG5" at 3.084,4.807 h2
  text "PG2" at 64.466,4.607 h2
  text "USB USER" at 27.7,3.1 h2
  text "GND" at 3.321,2.2 h2
  text "GND" at 64.701,2.067 h2

## Text inside footprints (layer, text, board x,y; h text height)
CN4: Top Overlay "TFT LCD 2.54 inc" at 25.4,46.95 h1